# Altium PCB BLE-T1.PcbDoc (part 2 of 3)
Units mm, origin at the board's own origin, x right, y up, seen from the top; angles counter-clockwise.
Board outline 284.81 x 94.3 mm, 2 copper layers (Component Side, Bottom Layer), stack 1.571 mm thick; 189 components, 121 nets, 835 pads, 172 vias.
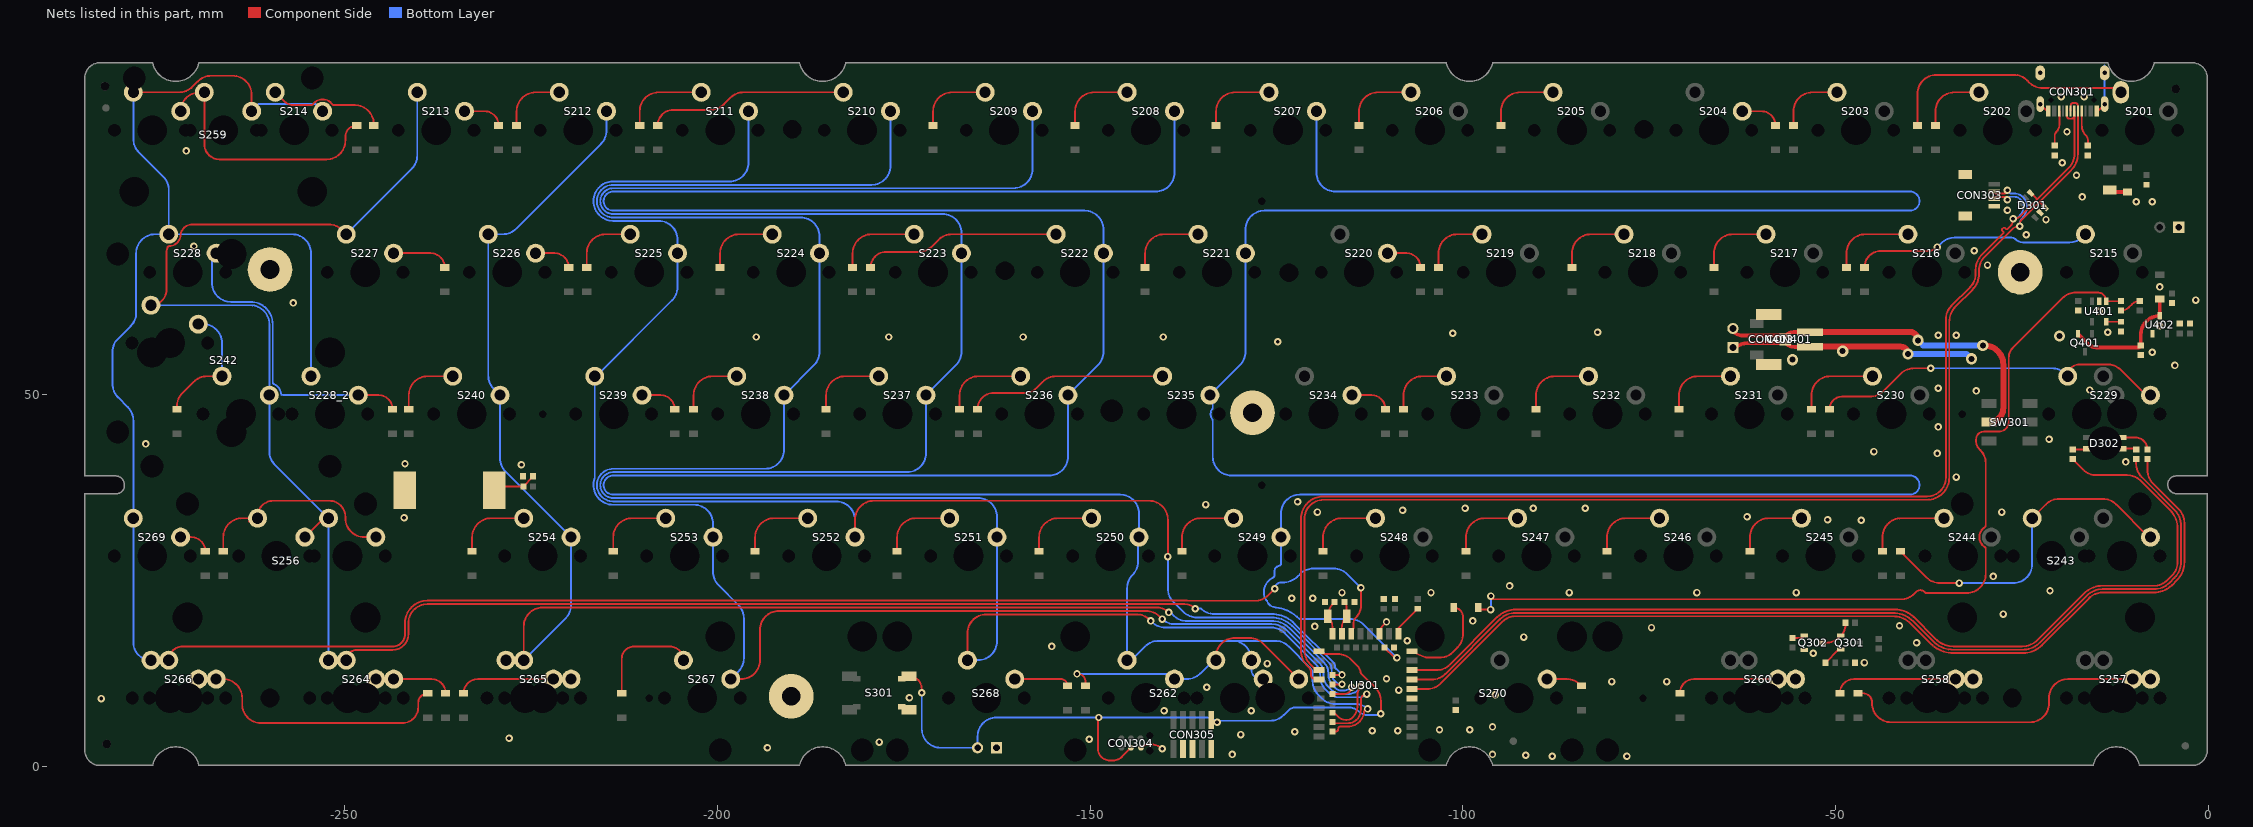
[diagram p2: the nets of this part, all layers, seen from the top]

## Via types
v1: diameter 1, hole 0.5, Component Side to Bottom Layer, tented both sides, 163 vias
v2: diameter 1.5, hole 0.8, Component Side to Bottom Layer, tented both sides, 7 vias
v3: diameter 1.5, hole 0.75, Component Side to Bottom Layer, tented both sides, 2 vias

## Nets (pads, with @x,y where several pads share a name; then routed paths per layer and width w, separated by ;. In a path a pad name is that pad's centre, name@x,y a point inside that pad or via, vN(x,y) a via of type N, cw(c..) or ccw(c..) an arc to the next point about the centre after c; other vN are vias at no path point) (continued)
col7: S207.2 S221.2 S235.2 S249.2 U301.22 | length 436.5
  Component Side w0.254: U301.22@-110.517,15.994 -109.128,14.605 v1(-108.839,14.605)
  Bottom Layer w0.254: S207.2@-119.64,87.955 -119.64,79.711 ccw(c-117.1,79.711) -117.1,77.171 -40,77.171 cw(c-40,75.89) -40,74.609 -126.625,74.609 ccw(c-126.625,72.069) -129.165,72.069 S221.2@-129.165,68.905 -129.165,55.67 cw(c-131.705,55.67) -129.909,53.874 -133.547,50.235 -133.547,48.178 cw(c-133.801,48.177) -133.598,48.024 ccw(c-132.657,47.315) -133.598,46.606 cw(c-133.801,46.453) -133.547,46.452 -133.547,41.611 ccw(c-131.007,41.611) -132.295,39.422 ccw(c-131.007,41.611) -131.007,39.071 -40,39.071 cw(c-40,37.79) -40,36.509 -121.862,36.509 ccw(c-121.862,33.969) -124.402,33.969 S249.2@-124.402,30.805 -124.402,27.226 cw(c-124.656,27.225) -124.61,26.975 ccw(c-124.46,26.162) -125.287,26.162 -125.287,25.621 cw(c-125.541,25.619) -125.433,25.39 ccw(c-124.494,23.402) -126.05,24.955 ccw(c-124.495,23.403) -126.307,24.645 ccw(c-124.495,23.403) -126.692,23.403 -126.692,23.241 ccw(c-125.349,23.241) -126.298,22.29 cw(c-126.477,22.11) -126.237,22.195 ccw(c-125.097,22.599) -125.16,21.391 ccw(c-125.032,21.61) -125.061,21.358 cw(c-125.667,16.129) -123.549,20.948 cw(c-125.667,16.129) -122.575,20.389 cw(c-125.667,16.129) -121.979,19.885 ccw(c-121.801,20.066) -121.801,19.812 -120.505,19.812 -118.364,19.812 -115.098,19.812 cw(c-115.098,17.272) -113.302,19.068 v1(-108.839,14.605)
col8: S208.2 S222.2 S236.2 S250.2 S262.2 U301.42 | length 398
  Component Side w0.254: U301.42@-117.457,4.699 -117.094,4.699 ccw(c-117.094,5.08) -116.713,5.08 cw(c-116.205,5.08) -116.706,5.167 cw(c-116.455,5.123) -116.455,5.377 -115.465,5.377 ccw(c-115.465,7.621) -113.424,6.69 ccw(c-115.465,7.621) -113.23,7.419 cw(c-112.977,7.396) -113.218,7.479 ccw(c-113.647,7.627) -113.208,7.511 cw(c-112.962,7.446) -113.081,7.67 cw(c-112.776,7.099) v1(-112.776,7.747)
  Bottom Layer w0.254: S262.2@-145.039,14.295 -145.039,23.961 cw(c-142.499,23.961) -144.296,25.757 ccw(c-146.023,27.485) -144.272,25.781 ccw(c-146.023,27.485) -143.58,27.485 -143.58,30.677 S250.2@-143.452,30.805 -143.452,33.969 ccw(c-145.992,33.969) -145.992,36.509 -214,36.509 cw(c-214,37.79) -214,39.071 -155.517,39.071 ccw(c-155.517,41.611) -152.977,41.611 S236.2@-152.977,49.855 -148.959,53.874 ccw(c-150.755,55.67) -148.215,55.67 S222.2@-148.215,68.905 -148.215,72.069 ccw(c-150.755,72.069) -150.755,74.609 -214,74.609 cw(c-214,75.89) -214,77.171 -141.23,77.171 ccw(c-141.23,79.711) -138.69,79.711 S208.2@-138.69,87.955 ; S262.2@-144.272,14.478 -142.603,16.147 cw(c-140.807,14.351) -140.807,16.891 -130.903,16.891 ; S262.2@-127.093,11.755 cw(c-127.093,13.025) -128.363,13.025 S262.2@-128.363,14.295 -128.363,14.351 ccw(c-130.903,14.351) -130.903,16.891 ; v1(-112.776,7.747) ccw(c-114.367,6.156) -114.367,8.406 -117.082,8.406 cw(c-117.082,10.946) -118.878,9.15 -119.398,9.67 cw(c-117.602,11.466) -120.142,11.466 -120.142,12.37 ccw(c-121.449,12.37) -120.525,13.295 -123.377,16.147 ccw(c-125.173,14.351) -125.173,16.891 -130.903,16.891
col9: S209.2 S223.2 S237.2 S251.2 S268.2 U301.40 | length 345.8
  Component Side w0.254: S268.2@-166.471,14.295 -166.471,17.907 cw(c-163.931,17.907) -163.931,20.447 -143.8,20.447 cw(c-143.8,17.907) -142.004,19.703 v1(-141.859,19.558) ; U301.40@-117.457,5.969 -117.319,5.831 -115.465,5.831 ccw(c-115.465,7.621) -114.818,5.952 ccw(c-115.465,7.621) -113.675,7.621 ; -113.665,7.645 -113.665,9.185 cw(c-112.903,8.957) v1(-112.903,9.752)
  Bottom Layer w0.254: S237.2@-172.027,49.855 -172.027,42.065 cw(c-174.567,42.065) -174.567,39.525 -214,39.525 ccw(c-214,37.79) -214,36.055 -165.042,36.055 cw(c-165.042,33.515) -162.502,33.515 S251.2@-162.502,30.805 -162.502,16.835 cw(c-165.042,16.835) -165.042,14.295 S268.2@-166.471,14.295 ; S237.2@-171.838,49.855 -171.838,50.045 -168.009,53.874 ccw(c-169.805,55.67) -167.265,55.67 S223.2@-167.265,68.905 -167.265,71.615 ccw(c-169.805,71.615) -169.805,74.155 -214,74.155 cw(c-214,75.89) -214,77.625 -160.28,77.625 ccw(c-160.28,80.165) -157.74,80.165 S209.2@-157.74,87.955 ; v1(-141.859,19.558) -141.714,19.413 ccw(c-139.918,21.209) -139.918,18.669 -125.667,18.669 cw(c-125.667,16.129) -123.871,17.925 -119.789,13.843 cw(c-121.39,12.242) -119.295,13.099 cw(c-121.39,12.242) -119.126,12.242 -119.126,12.101 ccw(c-116.586,12.101) -118.382,10.305 -117.983,9.906 ccw(c-116.554,11.335) -116.554,9.314 -113.961,9.314 ccw(c-113.961,10.811) v1(-112.903,9.752)
col10: S210.2 S224.2 S238.2 S252.2 U301.32 | length 267.5
  Component Side w0.254: S252.2@-181.552,30.805 -181.552,33.147 cw(c-179.012,33.147) -179.012,35.687 -142.113,35.687 cw(c-142.113,33.147) -139.573,33.147 v1(-139.573,28.194) ; U301.32@-117.457,11.049 v1(-116.205,11.049)
  Bottom Layer w0.254: S252.2@-181.552,30.805 -181.552,33.061 ccw(c-184.092,33.061) -184.092,35.601 -214,35.601 cw(c-214,37.79) -214,39.979 -193.617,39.979 ccw(c-193.617,42.519) -191.077,42.519 S238.2@-191.077,49.855 -187.059,53.874 ccw(c-188.855,55.67) -186.315,55.67 S224.2@-186.315,68.905 -186.315,71.161 ccw(c-188.855,71.161) -188.855,73.701 -214,73.701 cw(c-214,75.89) -214,78.079 -179.33,78.079 ccw(c-179.33,80.619) -176.79,80.619 S210.2@-176.79,87.955 ; v1@-139.7,28.194 v1@-139.573,28.067 ; v1(-139.573,28.194) v1@-139.573,28.067 ; -117.602,13.077 ccw(c-118.851,13.077) -117.869,13.849 -122.908,18.888 ccw(c-125.667,16.129) -125.667,20.031 -135.692,20.031 cw(c-135.692,22.571) -137.488,20.775 -138.829,22.116 cw(c-137.033,23.912) -139.573,23.912 v1@-139.573,28.067 ; -117.597,13.077 cw(c-117.632,13.042) -117.583,13.042 -117.583,12.274 ccw(c-116.312,12.466) -117.221,11.557 -117.072,11.408 ccw(c-116.205,12.275) v1(-116.205,11.049)
col11: S211.2 S225.2 S239.2 S253.2 S267.2 U301.38 | length 229.1
  Component Side w0.254: S267.2@-198.221,11.755 -196.85,11.755 ccw(c-196.85,14.295) -194.31,14.295 -194.31,18.361 cw(c-191.77,18.361) -191.77,20.901 -142.476,20.901 cw(c-142.476,18.361) -140.68,20.157 v1(-140.335,19.812) ; U301.38@-117.457,7.239 -117.248,7.239 -116.71,6.701 ccw(c-115.705,7.706) -115.705,6.285 -115.568,6.285 ccw(c-115.568,7.374) -114.798,6.603 ccw(c-116.435,8.242) -114.119,8.242 -114.119,9.699 cw(c-112.569,9.699) -113.73,10.726 cw(c-112.569,9.699) v1(-113.665,10.795)
  Bottom Layer w0.254: S267.2@-198.221,11.755 -197.213,12.763 ccw(c-199.009,14.559) -196.469,14.559 -196.469,19.903 ccw(c-199.009,19.903) -197.213,21.699 -199.858,24.344 cw(c-198.062,26.14) -200.602,26.14 S253.2@-200.602,30.805 -200.602,32.607 ccw(c-203.142,32.607) -203.142,35.147 -214,35.147 cw(c-214,37.79) -216.492,38.671 ccw(c-216.731,38.755) -216.477,38.756 -216.477,52.197 -206.109,62.566 ccw(c-207.905,64.362) -205.365,64.362 S225.2@-205.365,68.905 -205.365,70.707 ccw(c-207.905,70.707) -207.905,73.247 -214,73.247 cw(c-214,75.89) -214,78.533 -198.38,78.533 ccw(c-198.38,81.073) -195.84,81.073 S211.2@-195.84,87.955 ; v1(-140.335,19.812) -140.39,19.867 ccw(c-138.594,21.663) -138.594,19.123 -125.667,19.123 cw(c-125.667,16.129) -123.55,18.246 -119.253,13.949 cw(c-120.677,12.525) -118.663,12.525 -118.663,12.192 ccw(c-116.626,12.192) -118.066,10.751 -117.602,10.287 ccw(c-116.349,11.54) -116.744,9.812 ccw(c-116.349,11.54) -116.349,9.768 -115.316,9.768 ccw(c-115.316,11.634) -113.996,10.315 -113.665,10.646 v1(-113.665,10.795)
col12: S212.2 S226.2 S240.2 S254.2 S265.2 U301.34 | length 214
  Component Side w0.254: S265.2@-226.002,14.295 -226.002,18.815 cw(c-223.462,18.815) -223.462,21.355 -141.025,21.355 cw(c-141.025,19.122) v1(-139.446,20.701) ; U301.34@-117.457,9.779 -115.824,9.779 ccw(c-115.824,10.668) v1(-114.935,10.668)
  Bottom Layer w0.254: S265.2@-226.002,14.295 -220.396,19.901 ccw(c-222.192,21.697) -219.652,21.697 S254.2@-219.652,30.805 -228.434,39.586 cw(c-226.637,41.382) -229.177,41.382 S240.2@-229.177,49.855 -230.021,50.699 cw(c-228.225,52.495) -230.765,52.495 S226.2@-230.765,71.445 -228.819,71.445 ccw(c-228.819,73.985) -227.023,72.189 -215.634,83.578 ccw(c-217.43,85.374) -214.89,85.374 S212.2@-214.89,87.955 ; v1(-139.446,20.701) -139.192,20.701 -138.684,20.193 ccw(c-137.197,21.68) -137.197,19.577 -125.667,19.577 cw(c-125.667,16.129) -123.229,18.567 -118.588,13.926 cw(c-119.872,12.642) -118.056,12.642 -118.056,12.555 ccw(c-115.516,12.555) -117.312,10.759 -117.115,10.562 ccw(c-116.295,11.381) -116.295,10.222 -116.012,10.222 ccw(c-116.012,11.745) v1(-114.935,10.668)
D_N: CON301.A7 CON301.B7 CON303.2 D301.3 U301.29 | length 179.7
  Component Side w0.254: U301.29@-119.307,12.954 -119.649,12.954 -120.503,13.808 cw(c-118.707,15.604) -121.247,15.604 -121.247,33.274 cw(c-118.707,33.274) -118.707,35.814 -37.719,35.814 ccw(c-37.719,38.811) -34.722,38.811 -34.722,59.668 cw(c-31.725,59.668) -33.844,61.787 -31.605,64.026 ccw(c-33.724,66.145) -30.727,66.145 -30.727,66.634 cw(c-28.187,66.634) -29.983,68.43 -26.337,72.076 cw(c-25.273,71.012) v1(-25.273,72.517) -25.273,72.765 cw(c-24.366,72.765) -25.008,73.405 ; CON303.2@-28.702,77.184 ccw(c-28.431,77.184) -28.431,76.913 -27.354,76.913 ccw(c-27.354,77.343) v1(-26.924,77.343) ; -25.007,73.406 -22.6,75.813 ; D301.3@-21.975,75.134 -22.562,75.722 cw(c-22.471,75.813) -22.6,75.813 ; CON301.A7@-18.45,88 -18.427,88.735 cw(c-18.1,88.725) -18.1,89.052 -17.8,89.052 cw(c-17.8,88.725) -17.473,88.735 CON301.B7@-17.45,88 ccw(c-17.398,87.948) -17.471,87.948 -17.471,82.182 cw(c-20.466,82.182) -18.348,80.065 -22.6,75.813
  Bottom Layer w0.254: v1(-26.924,77.343) ccw(c-26.518,77.343) -26.518,76.937 -26.06,76.937 cw(c-26.06,75.184) -24.308,75.184 cw(c-26.605,75.184) -24.981,73.56 ccw(c-24.274,72.854) -25.273,72.854 v1(-25.273,72.517)
D_P: CON301.A6 CON301.B6 CON303.3 D301.4 U301.31 | length 180.9
  Component Side w0.254: -120.827,13.485 -120.536,13.194 cw(c-120.903,12.827) -120.384,12.827 -120.384,12.377 ccw(c-119.692,12.377) -119.692,11.684 U301.31@-119.307,11.684 ; -120.828,13.486 cw(c-118.71,15.602) -121.704,15.602 -121.704,33.274 cw(c-118.707,33.274) -118.707,36.271 -37.719,36.271 ccw(c-37.719,38.811) -35.179,38.811 -35.179,60.046 cw(c-32.639,60.046) -34.435,61.843 -31.928,64.349 ccw(c-33.724,66.145) -31.184,66.145 -31.184,66.634 cw(c-28.187,66.634) -30.307,68.753 -28.829,70.231 -27.449,71.611 -27.449,71.754 -27.661,71.966 -27.661,72.109 -27.445,72.325 -27.302,72.325 -27.09,72.114 -26.946,72.114 -26.659,72.401 -26.479,72.581 ; CON303.3@-28.702,76.184 cw(c-28.431,76.184) -28.431,76.455 -27.306,76.455 cw(c-27.306,76.073) v1(-26.924,76.073) ; -26.482,72.583 ccw(c-27.254,73.355) -26.162,73.355 v1(-26.162,73.533) ccw(c-26.162,75.066) -25.078,73.982 -22.924,76.136 ; D301.4@-23.672,76.831 cw(c-23.672,76.702) D301.4@-23.581,76.794 ; D301.4@-23.58,76.793 -22.924,76.136 ; CON301.B6@-18.95,88 -18.927,87.265 ccw(c-18.6,87.275) -18.6,86.948 -18.3,86.948 ccw(c-18.3,87.275) -17.973,87.265 CON301.A6@-17.95,88 cw(c-18.002,87.948) -17.929,87.948 -17.929,82.184 cw(c-20.469,82.184) -18.673,80.387 -22.924,76.136
  Bottom Layer w0.254: v1(-26.924,76.073) cw(c-26.518,76.073) -26.518,76.479 -26.06,76.479 cw(c-26.06,75.184) -24.765,75.184 cw(c-26.605,75.184) -25.304,73.883 -25.4,73.787 cw(c-26.013,74.4) -26.013,73.533 v1(-26.162,73.533)
GND: C301.1 C302.1 C304.1 C305.1 C306.1 C307.1 C402.1 C403.1 C404.1 C406.1 CON301.A1B12 CON301.B1A12 CON301.S1 CON302.1 CON303.4 CON303.5 CON304.5 CON305.3 CON305.5 CON305.9 CON306.1 CON401.2 CON401.3 CON402.1 CON403.2 D301.2 pad.@-25.2,66.365 pad.@-128.212,47.5 pad.@-190.119,9.45 pad.@-260.05,66.715 Q302.2 R301.2 R302.2 R307.2 R314.1 R402.2 R405.2 S301.1 U301.5 U301.21 U301.24 U302.2 U401.2 U402.1 | length 47.4
  Component Side w0.254: CON304.5@-143.175,2.541 cw(c-142.105,1.469) -142.105,2.983 -141.712,2.983 cw(c-141.712,1.036) v1(-140.335,2.413) ; U301.21@-111.157,17.844 cw(c-109.549,17.844) -110.686,18.981 v1(-110.236,19.431) ; v1@-107.697,16.636 v1(-107.442,16.891) ; v1@-53.08,15.24 v1(-52.959,15.24) ; CON301.S1@-22.52,88.915 -21.715,88.11 ccw(c-21.45,88.374) CON301.B1A12@-21.45,88 ; CON301.A1B12@-14.95,88 ccw(c-14.95,88.374) -14.685,88.11 CON301.S1@-13.88,88.915
  Component Side w0.5: CON402.1@-63.754,55.88 -63.533,56.101 cw(c-61.737,54.305) -61.737,56.845 CON403.2@-56.704,56.845 ccw(c-55.449,58.1) -55.449,56.325 CON401.2@-53.428,56.325
  Component Side w0.8: CON401.2@-54.825,56.356 -41.243,56.356 cw(c-41.243,55.372) v2(-40.259,55.372)
  Bottom Layer w0.254: CON301.S1@-13.88,89.915 -13.88,94.095
  Bottom Layer w0.8: v2(-40.259,55.372) -32.385,55.372 v2(-31.75,54.737) v2@-31.623,54.61
  other v1: -88.011,1.397 -77.978,1.397 -91.567,1.524 -130.937,1.651 -96.012,1.651 -193.3,2.539 -178.308,3.302 -150.114,3.683 -227.971,3.809 -129.794,4.318 -122.555,4.699 -112.141,4.826 -108.712,4.826 -103.124,4.953 -99.06,4.953 -96.012,5.334 -140.081,7.493 -128.397,7.493 -282.708,9.143 -174.244,9.271 -95.631,9.652 -108.585,10.287 -134.366,10.668 -80.01,11.43 -72.644,11.43 -110.236,11.811 -126.238,13.843 -46.101,13.97 -155.157,16.144 -39.116,16.637 -91.821,17.399 -74.676,18.669 -119.87,18.826 -41.402,18.923 -98.679,19.558 -27.486,20.483 -122.936,22.606 -120.142,22.606 -116.205,23.368 -104.267,23.368 -85.725,23.368 -68.58,23.368 -55.245,23.368 -21.209,23.622 -93.726,24.257 -28.829,25.527 -46.536,33.056 -51.054,33.147 -242.062,33.401 -61.849,33.528 -119.507,34.163 -27.686,34.163 -108.077,34.417 -99.695,34.671 -90.551,34.671 -83.566,34.671 -134.493,35.179 -122.174,35.56 -33.782,38.862 -226.314,40.513 -241.935,40.64 -11.049,40.894 -36.322,42.037 -44.831,42.291 -276.733,43.307 -21.336,43.942 -36.195,45.593 -31.115,50.419 -15.875,50.546 -36.195,50.8 -4.445,53.848 -7.493,55.626 -124.841,57.023 -194.818,57.658 -177.038,57.658 -159.004,57.658 -140.208,57.658 -36.195,57.912 -33.782,57.912 -101.346,58.166 -81.915,58.293 -13.462,58.293 -6.477,59.182 -14.605,61.087 -256.921,62.23 -1.651,62.611 -6.477,64.373 -29.591,67.31 -31.369,69.215 -270.256,69.85 -24.384,71.374 -21.745,73.421 -26.924,74.676 -9.652,75.819 -7.493,75.819 -16.891,76.454 -17.653,79.375 -19.558,81.026 -271.286,82.621 -18.923,85.217 -19.685,89.916 -16.637,89.916
  other v2: -55.753,54.61 -49.022,55.753 -19.939,57.785
LED1: R312.1 U301.6 | length 130.2
  Component Side w0.254: U301.6@-106.807,10.414 -104.79,10.414 ccw(c-104.79,12.954) -102.994,11.158 -94.703,19.449 cw(c-92.907,17.653) -92.907,20.193 -42.311,20.193 cw(c-42.311,16.772) -39.892,19.191 -37.217,16.516 ccw(c-34.137,19.596) -34.137,15.24 -24.833,15.24 ccw(c-24.833,18.828) -22.297,16.29 ccw(c-24.833,18.828) -22.296,16.291 -15.963,22.624 cw(c-14.167,20.828) -14.167,23.368 -7.27,23.368 ccw(c-7.27,26.816) -4.832,24.378 -4.185,25.025 ccw(c-6.623,27.463) -3.175,27.463 -3.175,32.73 ccw(c-5.715,32.73) -3.919,34.526 -7.384,37.991 cw(c-5.588,39.787) -8.128,39.787 R312.1@-8.128,41.26
LED2: R310.2 U301.8 | length 135.3
  Component Side w0.254: U301.8@-106.807,12.954 -103.534,12.954 ccw(c-103.534,15.494) -101.738,13.698 -95.345,20.091 cw(c-92.907,17.653) -92.907,21.101 -41.946,21.101 cw(c-41.946,17.653) -39.508,20.091 -36.575,17.158 ccw(c-34.137,19.596) -34.137,16.148 -24.963,16.148 ccw(c-24.963,19.142) -22.847,17.024 ; -22.846,17.025 -16.605,23.266 cw(c-14.167,20.828) -14.167,24.276 -7.27,24.276 ccw(c-7.27,26.816) -5.474,25.02 -4.827,25.667 ccw(c-6.623,27.463) -4.083,27.463 -4.083,31.978 ccw(c-7.531,31.978) -5.093,34.416 -9.049,38.372 ccw(c-10.845,36.576) -9.507,38.735 ccw(c-10.845,36.576) -10.845,39.116 -14.965,39.116 cw(c-14.965,41.656) -16.761,39.86 R310.2@-18.161,41.26
LED3: R311.2 U301.7 | length 129.5
  Component Side w0.254: U301.7@-106.807,11.684 -104.162,11.684 ccw(c-104.162,14.224) -102.366,12.428 -95.024,19.77 ; -95.023,19.771 cw(c-92.907,17.653) -92.907,20.647 -42.311,20.647 cw(c-42.311,16.772) -39.571,19.512 -36.896,16.837 ccw(c-34.137,19.596) -36.895,16.836 ccw(c-34.137,19.596) -34.137,15.694 -24.963,15.694 ccw(c-24.963,19.142) -22.525,16.704 -16.284,22.945 ; -16.283,22.946 cw(c-14.167,20.828) -14.167,23.822 -7.27,23.822 ccw(c-7.27,26.816) -5.154,24.698 -4.506,25.346 ccw(c-6.623,27.463) -3.629,27.463 -3.629,32.354 ccw(c-6.623,32.354) -4.505,34.47 ; R311.2@-9.652,41.26 -9.652,40.669 ccw(c-7.112,40.669) -8.908,38.873 -4.506,34.471
NetC305_2: C305.2 U301.13 X301.2 | length 4.5
  Component Side w0.254: U301.13@-116.205,17.876 U301.13@-116.237,17.844 -116.237,18.621 cw(c-114.014,18.621) X301.2@-115.586,20.193 -115.586,21.451 ccw(c-116.501,21.451) C305.2@-115.854,22.098
NetC306_2: C306.2 U301.11 X301.1 | length 5
  Component Side w0.254: U301.11@-117.713,18.05 U301.11@-117.507,17.844 -117.507,18.776 ccw(c-119.511,18.776) X301.1@-118.094,20.193 cw(c-115.675,20.193) -117.713,21.496 cw(c-115.675,20.193) -117.385,21.904 C306.2@-117.191,22.098
NetC402_2: C402.2 D402.2 Q401.2 U402.3 | length 16.7
  Component Side w0.5: Q401.2@-17.46,58.096 -16.077,56.713 ccw(c-14.986,57.804) -14.986,56.261 -9.37,56.261 ccw(c-9.37,56.534) C402.2@-9.177,56.341 ; C402.2@-9.017,56.53 -9.017,56.537 -9.017,57.969 cw(c-6.477,57.969) U402.3@-6.477,60.509 D402.2@-6.477,62.754
NetCON301_A5: CON301.A5 R302.1 | length 4.9
  Component Side w0.254: CON301.A5@-16.95,88 -16.952,86.361 -16.952,86.083 ccw(c-15.009,86.083) -16.952,86.061 ccw(c-15.009,86.083) -16.383,84.709 cw(c-16.996,84.096) -16.129,84.096 R302.1@-16.129,83.327
NetCON301_B5: CON301.B5 R301.1 | length 4.8
  Component Side w0.254: R301.1@-20.574,83.327 -20.574,84.604 cw(c-19.707,84.604) -20.32,85.217 ccw(c-21.213,86.11) -19.95,86.11 CON301.B5@-19.95,88
NetCON401_1: CON401.1 CON402.2 CON403.1 SW301.2 | length 49.2
  Component Side w0.5: CON402.2@-63.754,58.42 ccw(c-62.368,59.806) -62.368,57.846 -56.703,57.846 cw(c-55.545,56.686) -55.545,58.325 CON401.1@-53.428,58.325
  Component Side w0.8: CON401.1@-54.825,58.356 -40.068,58.356 cw(c-40.068,57.213) v2(-38.925,57.213) ; v2(-30.226,56.515) -30.01,56.515 cw(c-30.01,53.975) -27.47,53.975 -27.47,48.134 cw(c-29.376,48.134) SW301.2@-29.376,46.228
  Bottom Layer w0.8: v2(-38.925,57.213) -38.227,56.515 v2(-30.226,56.515)
NetD201_1: D201.1 S201.1 | length 33.7
  Component Side w0.254: D201.1@-38.989,86.05 -38.989,90.297 cw(c-36.449,90.297) -36.449,92.837 -26.071,92.837 cw(c-26.071,90.297) -24.275,92.093 -23.985,91.803 ccw(c-22.189,93.599) -22.189,91.059 -13.052,91.059 cw(c-13.052,89.133) S201.1@-11.69,90.495
NetD202_1: D202.1 S202.1 | length 9.2
  Component Side w0.254: D202.1@-36.576,86.05 -36.576,87.955 cw(c-34.036,87.955) -34.036,90.495 S202.1@-30.74,90.495
NetD203_1: D203.1 S203.1 | length 9.2
  Component Side w0.254: D203.1@-55.626,86.05 -55.626,87.955 cw(c-53.086,87.955) -53.086,90.495 S203.1@-49.79,90.495
NetD204_1: D204.1 S204.1 | length 5.5
  Component Side w0.254: S204.1@-62.49,87.955 -59.944,87.955 cw(c-59.944,86.05) D204.1@-58.039,86.05
NetD205_1: D205.1 S205.1 | length 10.3
  Component Side w0.254: D205.1@-94.869,86.05 -94.869,87.955 cw(c-92.329,87.955) -92.329,90.495 S205.1@-87.89,90.495
NetD206_1: D206.1 S206.1 | length 10.3
  Component Side w0.254: D206.1@-113.919,86.05 -113.919,87.955 cw(c-111.379,87.955) -111.379,90.495 S206.1@-106.94,90.495
NetD207_1: D207.1 S207.1 | length 10.5
  Component Side w0.254: D207.1@-133.096,86.05 -133.096,87.955 cw(c-130.556,87.955) -130.556,90.495 S207.1@-125.99,90.495
NetD208_1: D208.1 S208.1 | length 10.3
  Component Side w0.254: D208.1@-152.019,86.05 -152.019,87.955 cw(c-149.479,87.955) -149.479,90.495 S208.1@-145.04,90.495
NetD209_1: D209.1 S209.1 | length 10.3
  Component Side w0.254: D209.1@-171.069,86.05 -171.069,87.955 cw(c-168.529,87.955) -168.529,90.495 S209.1@-164.09,90.495
NetD210_1: D210.1 S210.1 | length 26.8
  Component Side w0.254: D210.1@-208.026,86.05 cw(c-205.938,86.05) -205.938,88.138 -200.95,88.138 ccw(c-200.95,90.678) -199.154,88.882 -198.285,89.751 cw(c-196.489,87.955) -196.489,90.495 S210.1@-183.14,90.495
NetD211_1: D211.1 S211.1 | length 11.6
  Component Side w0.254: D211.1@-210.439,86.05 -210.439,87.955 cw(c-207.899,87.955) -207.899,90.495 S211.1@-202.19,90.495
NetD212_1: D212.1 S212.1 | length 9.1
  Component Side w0.254: D212.1@-226.949,86.05 -226.949,87.955 cw(c-224.409,87.955) -224.409,90.495 S212.1@-221.24,90.495
NetD213_1: D213.1 S213.1 | length 5.7
  Component Side w0.254: S213.1@-233.94,87.955 -231.267,87.955 cw(c-231.267,86.05) D213.1@-229.362,86.05
NetD214_1: D214.1 S214.1 | length 16
  Component Side w0.254: S214.1@-259.34,90.495 -258.111,89.266 ccw(c-256.921,90.456) -256.921,88.773 -256.115,88.773 -254.499,88.773 ccw(c-254.499,89.027) -254.292,88.88 cw(c-252.99,87.955) -251.688,88.88 ccw(c-251.481,89.027) -251.481,88.773 -248.666,88.773 cw(c-248.666,86.233) -246.126,86.233 D214.1@-246.126,86.05
NetD215_1: D215.1 S215.1 | length 32
  Component Side w0.254: D215.1@-46.101,67 cw(c-43.886,67) -43.886,69.215 -37.548,69.215 ccw(c-37.548,70.949) v1(-36.322,69.723)
  Bottom Layer w0.254: v1(-36.322,69.723) -35.796,70.249 cw(c-34,68.453) -34,70.993 -26.394,70.993 cw(c-26.394,70.126) -25.781,70.739 ccw(c-24.861,71.659) -24.861,70.358 -18.592,70.358 ccw(c-18.592,72.898) -16.796,71.102 S215.1@-16.452,71.445
NetD216_1: D216.1 S216.1 | length 11.6
  Component Side w0.254: D216.1@-48.514,67 -48.514,68.905 cw(c-45.974,68.905) -45.974,71.445 S216.1@-40.265,71.445
NetD217_1: D217.1 S217.1 | length 10.3
  Component Side w0.254: D217.1@-66.294,67 -66.294,68.905 cw(c-63.754,68.905) -63.754,71.445 S217.1@-59.315,71.445
NetD218_1: D218.1 S218.1 | length 10.3
  Component Side w0.254: D218.1@-85.344,67 -85.344,68.905 cw(c-82.804,68.905) -82.804,71.445 S218.1@-78.365,71.445
NetD219_1: D219.1 S219.1 | length 9.2
  Component Side w0.254: D219.1@-103.251,67 -103.251,68.905 cw(c-100.711,68.905) -100.711,71.445 S219.1@-97.415,71.445
NetD220_1: D220.1 S220.1 | length 5.5
  Component Side w0.254: S220.1@-110.115,68.905 -107.569,68.905 cw(c-107.569,67) D220.1@-105.664,67
NetD221_1: D221.1 S221.1 | length 10.5
  Component Side w0.254: D221.1@-142.621,67 -142.621,68.905 cw(c-140.081,68.905) -140.081,71.445 S221.1@-135.515,71.445
NetD222_1: D222.1 S222.1 | length 26.8
  Component Side w0.254: D222.1@-179.451,67 cw(c-177.363,67) -177.363,69.088 -173.01,69.088 ccw(c-173.01,71.628) -171.214,69.832 -170.345,70.701 cw(c-168.549,68.905) -168.549,71.445 S222.1@-154.565,71.445
NetD223_1: D223.1 S223.1 | length 11.6
  Component Side w0.254: D223.1@-181.864,67 -181.864,68.905 cw(c-179.324,68.905) -179.324,71.445 S223.1@-173.615,71.445
NetD224_1: D224.1 S224.1 | length 10.3
  Component Side w0.254: D224.1@-199.644,67 -199.644,68.905 cw(c-197.104,68.905) -197.104,71.445 S224.1@-192.665,71.445
NetD225_1: D225.1 S225.1 | length 9.2
  Component Side w0.254: D225.1@-217.551,67 -217.551,68.905 cw(c-215.011,68.905) -215.011,71.445 S225.1@-211.715,71.445
NetD226_1: D226.1 S226.1 | length 5.5
  Component Side w0.254: S226.1@-224.415,68.905 -221.869,68.905 cw(c-221.869,67) D226.1@-219.964,67
NetD227_1: D227.1 S227.1 | length 8
  Component Side w0.254: S227.1@-243.465,68.905 -238.506,68.905 cw(c-238.506,67) D227.1@-236.601,67
NetD228_1: D228.1 S228.1 S228_2.1 | length 41.6
  Component Side w0.254: S228_2.1@-248.202,49.855 -245.491,49.855 cw(c-245.491,47.95) D228.1@-243.586,47.95
  Bottom Layer w0.254: S228.1@-267.277,68.905 ccw(c-267.277,68.34) -267.843,68.34 -267.843,64.919 ccw(c-265.303,64.919) -265.303,62.379 -262.68,62.379 cw(c-262.68,59.385) -259.686,59.385 -259.686,51.565 ccw(c-259.432,51.565) -259.529,51.331 cw(c-260.14,49.855) -258.544,49.903 ccw(c-258.054,52.395) -258.054,49.855 S228_2.1@-248.202,49.855
NetD229_1: D229.1 S229.1 | length 48.1
  Component Side w0.254: D229.1@-50.8,47.95 cw(c-49.093,47.95) -49.093,49.657 -45.375,49.657 ccw(c-45.375,52.197) -43.579,50.401 -41.257,52.723 cw(c-39.461,50.927) -40.082,53.39 cw(c-39.461,50.927) -39.461,53.467 v1(-37.211,53.467) ; S229.1@-18.834,52.395 cw(c-17.237,52.395) -17.237,53.992 -13.515,53.992 cw(c-13.515,51.452) -12.903,53.917 cw(c-13.515,51.452) -11.719,53.248 -8.646,50.175 ccw(c-7.874,50.946) S229.1@-7.874,49.855
  Bottom Layer w0.254: v1(-37.211,53.467) -20.958,53.467 cw(c-20.958,50.927) -19.162,52.723 S229.1@-18.834,52.395
NetD230_1: D230.1 S230.1 | length 11.5
  Component Side w0.254: D230.1@-53.213,47.95 -53.213,49.855 cw(c-50.673,49.855) -50.673,52.395 S230.1@-45.027,52.395
NetD231_1: D231.1 S231.1 | length 10.3
  Component Side w0.254: D231.1@-70.993,47.95 -70.993,49.855 cw(c-68.453,49.855) -68.453,52.395 S231.1@-64.077,52.395
NetD232_1: D232.1 S232.1 | length 10.4
  Component Side w0.254: D232.1@-90.17,47.95 -90.17,49.855 cw(c-87.63,49.855) -87.63,52.395 S232.1@-83.127,52.395
NetD233_1: D233.1 S233.1 | length 9.1
  Component Side w0.254: D233.1@-107.95,47.95 -107.95,49.855 cw(c-105.41,49.855) -105.41,52.395 S233.1@-102.177,52.395
NetD234_1: D234.1 S234.1 | length 5.6
  Component Side w0.254: S234.1@-114.877,49.855 -112.268,49.855 cw(c-112.268,47.95) D234.1@-110.363,47.95
NetD235_1: D235.1 S235.1 | length 26.8
  Component Side w0.254: D235.1@-165.1,47.95 -165.1,48.006 cw(c-162.941,48.006) -162.941,50.165 -158.75,50.165 ccw(c-158.75,52.311) -157.232,50.794 -156.375,51.651 cw(c-154.579,49.855) -154.579,52.395 S235.1@-140.277,52.395
NetD236_1: D236.1 S236.1 | length 11.5
  Component Side w0.254: D236.1@-167.513,47.95 -167.513,49.855 cw(c-164.973,49.855) -164.973,52.395 S236.1@-159.327,52.395
NetD237_1: D237.1 S237.1 | length 10.4
  Component Side w0.254: D237.1@-185.42,47.95 -185.42,49.855 cw(c-182.88,49.855) -182.88,52.395 S237.1@-178.377,52.395
NetD238_1: D238.1 S238.1 | length 9.1
  Component Side w0.254: D238.1@-203.2,47.95 -203.2,49.855 cw(c-200.66,49.855) -200.66,52.395 S238.1@-197.427,52.395
NetD239_1: D239.1 S239.1 | length 5.5
  Component Side w0.254: S239.1@-210.127,49.855 -207.645,49.855 cw(c-207.645,47.95) D239.1@-205.74,47.95
NetD240_1: D240.1 S240.1 | length 9.3
  Component Side w0.254: D240.1@-241.427,47.95 -241.427,49.855 cw(c-238.887,49.855) -238.887,52.395 S240.1@-235.527,52.395
NetD242_1: D242.1 S242.1 | length 17.6
  Component Side w0.254: D242.1@-272.542,47.95 -272.542,48.344 cw(c-270.002,48.344) -271.798,50.14 -270.287,51.651 cw(c-268.491,49.855) -268.491,52.395 S242.1@-266.49,52.395
  Bottom Layer w0.254: S242.1@-269.67,59.385 -269.03,59.385 cw(c-269.03,56.845) -266.49,56.845 S242.1@-266.49,52.395
NetD243_1: D243.1 S243.1 | length 45.8
  Component Side w0.254: D243.1@-41.275,28.9 -37.757,25.382 ccw(c-35.961,27.178) -35.961,24.638 v1(-33.401,24.638) ; S243.1@-23.596,33.345 -21.744,35.197 cw(c-19.948,33.401) -19.948,35.941 -14.133,35.941 cw(c-14.133,33.401) -12.337,35.197 -7.945,30.805 S243.1@-7.721,30.805
  Bottom Layer w0.254: v1(-33.401,24.638) -26.136,24.638 ccw(c-26.136,27.178) -23.596,27.178 S243.1@-23.596,33.345
NetD244_1: D244.1 S244.1 | length 15.6
  Component Side w0.254: D244.1@-43.688,28.9 -43.688,30.805 ; S244.1@-35.433,33.345 -41.148,33.345 ; -43.688,30.805 cw(c-41.148,30.805) -41.148,33.345 ; -43.688,30.805 cw(c-41.148,30.805) -41.658,33.293 cw(c-41.148,30.805) -41.656,33.294 cw(c-41.148,30.805) -41.148,33.345
NetD245_1: D245.1 S245.1 | length 10.3
  Component Side w0.254: D245.1@-61.468,28.9 -61.468,30.805 cw(c-58.928,30.805) -58.928,33.345 S245.1@-54.552,33.345
NetD246_1: D246.1 S246.1 | length 10.4
  Component Side w0.254: D246.1@-80.645,28.9 -80.645,30.805 cw(c-78.105,30.805) -78.105,33.345 S246.1@-73.602,33.345
NetD247_1: D247.1 S247.1 | length 10.3
  Component Side w0.254: D247.1@-99.568,28.9 -99.568,30.805 cw(c-97.028,30.805) -97.028,33.345 S247.1@-92.652,33.345
NetD248_1: D248.1 S248.1 | length 10.4
  Component Side w0.254: D248.1@-118.745,28.9 -118.745,30.805 cw(c-116.205,30.805) -116.205,33.345 S248.1@-111.702,33.345
NetD249_1: D249.1 S249.1 | length 10.3
  Component Side w0.254: D249.1@-137.668,28.9 -137.668,30.805 cw(c-135.128,30.805) -135.128,33.345 S249.1@-130.752,33.345
NetD250_1: D250.1 S250.1 | length 10.4
  Component Side w0.254: D250.1@-156.845,28.9 -156.845,30.805 cw(c-154.305,30.805) -154.305,33.345 S250.1@-149.802,33.345
NetD251_1: D251.1 S251.1 | length 10.4
  Component Side w0.254: D251.1@-175.895,28.9 -175.895,30.805 cw(c-173.355,30.805) -173.355,33.345 S251.1@-168.852,33.345
NetD252_1: D252.1 S252.1 | length 10.4
  Component Side w0.254: D252.1@-194.945,28.9 -194.945,30.805 cw(c-192.405,30.805) -192.405,33.345 S252.1@-187.902,33.345
NetD253_1: D253.1 S253.1 | length 10.4
  Component Side w0.254: D253.1@-213.995,28.9 -213.995,30.805 cw(c-211.455,30.805) -211.455,33.345 S253.1@-206.952,33.345
NetD254_1: D254.1 S254.1 | length 10.3
  Component Side w0.254: D254.1@-232.918,28.9 -232.918,30.805 cw(c-230.378,30.805) -230.378,33.345 S254.1@-226.002,33.345
NetD256_1: D256.1 S256.1 | length 29.9
  Component Side w0.254: D256.1@-266.319,28.9 -266.319,30.805 cw(c-263.779,30.805) -263.779,33.345 -261.747,33.345 -261.747,33.528 cw(c-259.588,33.528) -259.588,35.687 -252.095,35.687 cw(c-252.095,33.528) -249.936,33.528 -249.936,33.345 ccw(c-247.396,33.345) -247.396,30.805 -245.872,30.805 S256.1@-246.38,30.297 ; S256.1@-262.851,32.891 S256.1@-261.747,32.891
NetD257_1: D257.1 S257.1 | length 42.8
  Component Side w0.254: D257.1@-46.99,9.85 -46.299,9.85 cw(c-46.299,8.636) -45.085,8.636 -45.085,8.509 ccw(c-42.545,8.509) -42.545,5.969 -23.876,5.969 ccw(c-23.876,8.509) -21.336,8.509 -21.336,9.215 cw(c-18.796,9.215) -21.113,10.256 cw(c-18.796,9.215) -19.837,11.532 cw(c-18.796,9.215) -18.796,11.755 S257.1@-10.102,11.755
NetD258_1: D258.1 S258.1 | length 19
  Component Side w0.254: D258.1@-49.403,9.85 cw(c-47.498,9.85) -47.498,11.755 S258.1@-33.909,11.755 S258.1@-31.528,11.755
NetD259_1: D259.1 S259.1 | length 37
  Component Side w0.254: S259.1@-272.034,87.955 cw(c-269.494,87.955) -269.494,90.495 S259.1@-268.859,90.495 -268.859,83.525 ccw(c-266.827,83.525) -266.827,81.493 -252.476,81.493 ccw(c-252.476,84.033) -249.936,84.033 -249.936,84.526 cw(c-248.412,84.526) D259.1@-248.412,86.05
  Bottom Layer w0.254: S259.1@-272.04,87.955 S259.1@-271.349,88.646
NetD260_1: D260.1 S260.1 | length 14.2
  Component Side w0.254: D260.1@-70.866,9.85 cw(c-68.961,9.85) -68.961,11.755 S260.1@-57.727,11.755
NetD262_1: D262.1 S262.1 | length 37
  Component Side w0.254: v1(-151.765,12.446) -151.638,12.446 cw(c-151.638,11.43) -150.622,11.43 D262.1@-150.622,10.85 ; S262.1@-133.133,14.295 -133.133,14.677 -133.133,14.732 cw(c-130.593,14.732) -130.593,17.272 -128.582,17.272 cw(c-128.582,14.732) -126.786,16.528 S262.1@-122.013,11.755
  Bottom Layer w0.254: v1(-151.765,12.446) -139.38,12.446 S262.1@-138.689,11.755 -137.035,11.755 ccw(c-137.035,14.295) -135.239,12.499 S262.1@-133.443,14.295
NetD264_1: D264.1 S264.1 | length 8.1
  Component Side w0.254: S264.1@-243.459,11.755 -238.379,11.755 cw(c-238.379,9.85) D264.1@-236.474,9.85
NetD265_1: D265.1 S265.1 | length 13.1
  Component Side w0.254: D265.1@-234.061,9.85 cw(c-232.156,9.85) -232.156,11.755 S265.1@-222.033,11.755
NetD266_1: D266.1 S266.1 | length 34.7
  Component Side w0.254: S266.1@-267.277,11.755 -266.319,11.755 cw(c-266.319,9.215) -263.779,9.215 -263.779,8.382 ccw(c-261.239,8.382) -261.239,5.842 -242.316,5.842 ccw(c-242.316,8.001) -240.157,8.001 -240.157,8.58 cw(c-238.887,8.58) D266.1@-238.887,9.85
NetD267_1: D267.1 S267.1 | length 14.9
  Component Side w0.254: D267.1@-212.852,9.85 -212.852,14.478 cw(c-211.201,14.478) -211.201,16.129 -206.405,16.129 cw(c-206.405,14.295) S267.1@-204.571,14.295
NetD268_1: D268.1 S268.1 | length 7.6
  Component Side w0.254: S268.1@-160.121,11.755 -153.94,11.755 cw(c-153.94,10.85) D268.1@-153.035,10.85
NetD269_1: D269.1 S269.1 | length 4.4
  Component Side w0.254: S269.1@-272.04,30.805 -270.637,30.805 cw(c-270.637,28.9) D269.1@-268.732,28.9
NetD270_1: D270.1 S270.1 | length 5
  Component Side w0.254: S270.1@-88.773,11.665 cw(c-88.683,11.665) S270.1@-88.683,11.755 -86.031,11.755 cw(c-86.031,9.215) -84.235,11.011 D270.1@-84.074,10.85
NetD302_1: D302.1 R310.1 | length 1.8
  Component Side w0.254: R310.1@-18.161,42.56 -16.546,42.56 D302.1@-16.434,42.672
NetD302_2: D302.2 R311.1 | length 2
  Component Side w0.254: D302.2@-11.557,42.672 -9.764,42.672 R311.1@-9.652,42.56
NetD302_3: D302.3 R312.2 | length 4.3
  Component Side w0.254: D302.3@-11.557,44.172 -9.74,44.172 cw(c-9.74,42.56) R312.2@-8.128,42.56
NetD303_1: D303.1 F301.1 | length 2.5
  Component Side w0.5: F301.1@-13.208,77.39 ccw(c-12.52,78.078) -12.52,77.105 D303.1@-10.795,77.105
NetD401_2: D401.2 R401.2 | length 2.9
  Component Side w0.254: R401.2@-11.684,61.199 ccw(c-11.684,62.696) -10.626,61.637 -10.202,62.061 cw(c-9.144,61.002) D401.2@-9.144,62.499
NetD403_1: D403.1 U301.10 | length 13
  Component Side w0.254: U301.10@-106.807,15.494 -106.735,15.422 ccw(c-106.556,15.603) -106.654,15.368 -105.036,14.697 ccw(c-104.939,14.932) -104.939,14.678 -102.906,14.678 ccw(c-102.906,16.764) -101.432,15.288 -100.842,15.879 -100.708,16.012 ccw(c-102.504,17.808) -99.964,17.808 -99.964,20.097 ccw(c-101.203,20.097) D403.1@-101.203,21.336
NetD403_2: D403.2 R401.1 U401.1 | length 125
  Component Side w0.254: D403.2@-97.933,21.336 ccw(c-97.679,21.336) -97.679,21.082 v1(-96.266,21.082) ; v1@-96.139,22.86 ccw(c-95.742,22.86) -95.742,22.463 -41.212,22.463 ccw(c-41.212,25.003) -39.416,23.207 -39.277,23.346 cw(c-38.608,22.86) -37.978,23.396 ccw(c-37.785,23.56) -37.846,23.314 -32.37,23.314 ccw(c-32.37,25.854) -29.83,25.854 -29.83,29.247 ccw(c-30.084,29.248) -29.947,29.462 cw(c-29.083,30.805) -29.947,32.148 ccw(c-30.084,32.362) -29.83,32.363 -29.83,40.716 ccw(c-32.37,40.716) -30.574,42.512 -30.734,42.672 cw(c-29.814,43.592) -31.115,43.592 -31.115,43.942 cw(c-30.099,43.942) -30.966,44.472 cw(c-30.099,43.942) -30.629,44.809 cw(c-30.099,43.942) -30.099,44.958 -28.074,44.958 ccw(c-28.074,46.289) -26.743,46.289 -26.743,54.841 cw(c-24.735,54.841) -26.155,56.261 -19.387,63.029 ; -19.381,63.023 cw(c-17.737,61.087) -17.737,63.627 -14.82,63.627 cw(c-14.82,62.462) -14.108,63.384 cw(c-14.82,62.462) -13.898,63.174 cw(c-14.82,62.462) U401.1@-13.655,62.462 -11.721,62.462 R401.1@-11.684,62.499
  Bottom Layer w0.254: v1@-96.574,21.082 v1(-96.266,21.082) ; v1@-96.225,21.432 v1(-96.225,22.902)
NetL301_2: L301.2 U301.25 | length 4.4
  Component Side w0.254: U301.25@-108.617,17.844 -108.617,18.622 L301.2@-106.045,21.194
NetQ301_1: Q301.1 Q302.3 R308.1 | length 4.7
  Component Side w0.254: Q302.3@-51.759,16.637 -51.276,16.637 ccw(c-51.276,19.177) -49.48,17.381 Q301.1@-49.259,17.602 ; Q301.1@-49.259,17.602 ccw(c-50.715,19.058) -48.656,19.058 R308.1@-48.656,19.304
NetQ301_2: Q301.2 R306.1 | length 2.8
  Component Side w0.254: R306.1@-51.323,13.97 -49.591,15.702 Q301.2@-49.259,15.702
NetQ302_1: Q302.1 R309.1 | length 1.7
  Component Side w0.254: R309.1@-55.753,17.287 -54.459,17.287 Q302.1@-54.159,17.587
NetR313_2: R313.2 R314.2 U302.1 | length 6.4
  Component Side w0.254: U302.1@-229.966,38.989 -228.569,37.592 R313.2@-226.06,37.592 -224.775,38.877 R314.2@-224.775,38.989
NetR402_1: R402.1 U401.5 | length 2
  Component Side w0.254: U401.5@-13.655,59.712 -11.691,59.712 R402.1@-11.684,59.705
NetS213_2: S213.2 S227.2 S242.2 S256.2 S264.2 U301.30 | length 273
  Component Side w0.254: S242.2@-276.02,61.925 ccw(c-276.02,64.006) -273.939,64.006 -273.939,68.905 cw(c-271.399,68.905) -273.82,69.673 cw(c-273.578,69.595) -273.585,69.849 ccw(c-273.627,71.445) -272.05,71.195 ccw(c-273.627,71.445) -272.05,71.197 ccw(c-273.627,71.445) -272.031,71.425 cw(c-271.777,71.421) -272.027,71.465 cw(c-270.475,71.195) -270.475,72.771 -252.193,72.771 cw(c-252.193,70.231) -250.397,72.027 S227.2@-249.815,71.445 ; S256.2@-255.397,30.805 -252.857,33.345 -252.222,33.345 S256.2@-252.222,33.528 ; S264.2@-249.809,14.295 cw(c-248.429,14.295) -248.429,15.675 -243.586,15.675 ccw(c-243.586,17.78) -241.481,17.78 -241.481,19.269 cw(c-238.941,19.269) -238.941,21.809 -223.759,21.809 -223.744,21.823 -223.462,21.823 -223.462,21.818 -223.32,21.818 -223.311,21.809 -141.176,21.809 -141.167,21.818 -141.025,21.818 -141.025,21.832 -140.902,21.832 -140.884,21.814 -140.641,21.814 -140.637,21.809 -137.339,21.809 cw(c-137.339,19.76) v1(-135.89,21.209) ; U301.30@-117.457,12.319 v1(-116.205,12.319)
  Bottom Layer w0.254: S242.2@-275.191,62.754 S242.2@-276.02,61.925 -262.68,61.925 cw(c-262.68,59.385) -260.14,59.385 S242.2@-260.14,49.855 ; S242.2@-260.604,49.657 -260.14,49.657 -260.14,42.315 ccw(c-257.6,42.315) -259.396,40.519 -252.222,33.345 -252.222,14.372 ccw(c-252.114,14.372) S264.2@-252.19,14.295 ; S227.2@-249.815,71.445 -241.034,80.226 ccw(c-242.83,82.022) -240.29,82.022 S213.2@-240.29,90.495 ; v1(-135.89,21.209) -135.168,21.209 -135.148,21.229 ccw(c-133.352,23.025) -133.352,20.485 -125.667,20.485 cw(c-125.667,16.129) -122.587,19.209 -117.366,13.988 cw(c-117.892,13.462) -117.148,13.462 ccw(c-116.665,13.462) -117.007,13.121 v1(-116.205,12.319)
NetS214_2: S214.2 S228.2 S228_2.2 S259.2 S266.2 S269.2 U301.15 | length 327.5
  Component Side w0.254: S259.2@-278.384,90.495 -272.253,90.495 ccw(c-272.253,93.035) -270.457,91.239 -269.73,91.966 cw(c-267.934,90.17) -267.934,92.71 -265.049,92.71 cw(c-265.049,90.17) -262.509,90.17 S259.2@-262.509,87.955 ; S266.2@-273.627,14.295 cw(c-271.793,14.295) -271.793,16.129 -243.586,16.129 ccw(c-243.586,17.78) -241.935,17.78 -241.935,19.291 cw(c-238.941,19.291) -241.935,19.304 cw(c-238.941,19.291) -238.954,22.285 cw(c-238.941,19.291) -238.941,22.285 -141.215,22.285 -141.213,22.286 -140.714,22.286 -140.713,22.285 -136.998,22.285 -136.977,22.263 -127.887,22.263 ccw(c-127.887,24.803) -126.091,23.007 v1(-125.222,23.876) ; U301.15@-114.967,17.844 ccw(c-115.657,18.534) -114.681,18.534 -114.681,19.146 cw(c-113.38,19.146) -114.3,20.066 ccw(c-115.833,21.599) -113.665,21.599 v1(-113.665,24.003)
  Bottom Layer w0.254: S259.2@-279.146,89.739 S259.2@-278.39,90.495 ; S259.2@-278.384,90.495 -278.384,84.237 ccw(c-275.844,84.237) -277.64,82.441 -274.371,79.172 cw(c-276.167,77.376) -273.669,77.835 cw(c-276.167,77.376) -273.627,77.376 S228.2@-273.627,71.445 ; S266.2@-276.008,14.295 cw(c-276.008,16.677) -278.39,16.677 S269.2@-278.39,33.345 -278.39,41.015 -278.384,41.021 -278.384,46.446 ccw(c-280.924,46.446) -279.128,48.242 -280.434,49.548 cw(c-278.638,51.344) -280.797,50.006 cw(c-278.638,51.344) -281.178,51.344 -281.178,55.699 cw(c-278.638,55.699) -280.746,57.116 -278.747,59.115 ccw(c-280.543,60.911) -278.003,60.911 -278.003,68.905 cw(c-275.463,68.905) -275.463,71.445 S228.2@-273.627,71.445 ; S259.2@-262.509,87.955 -261.566,88.898 -253.933,88.898 S214.2@-252.99,87.955 ; S228_2.2@-254.552,52.395 -254.552,68.905 ccw(c-257.092,68.905) -257.092,71.445 S228.2@-273.627,71.445 ; v1(-125.222,23.876) cw(c-124.39,23.876) -124.587,24.684 cw(c-124.527,24.437) -124.535,24.691 cw(c-124.494,23.402) -124.494,24.692 -124.242,24.692 ccw(c-124.242,27.686) -123.933,24.708 ccw(c-124.242,27.686) -122.353,25.364 -122.234,25.46 -121.841,25.853 cw(c-120.045,24.057) -120.045,26.597 -117.311,26.597 cw(c-117.311,24.057) -115.515,25.853 v1(-113.665,24.003)
P0.18/RESET: CON302.2 CON304.3 CON305.10 S301.2 U301.26 | length 99.5
  Component Side w0.254: S301.2@-174.333,11.646 S301.2@-174.333,12.156 cw(c-174.333,10.416) -172.593,10.416 v1(-172.593,9.906) ; v1(-148.844,6.604) ccw(c-148.844,6.477) -148.971,6.477 -148.971,2.461 ccw(c-147.334,2.461) -147.334,0.824 -146.952,0.824 ccw(c-146.952,2.539) -145.74,1.326 CON304.3@-144.526,2.54 ; U301.26@-119.307,15.494 ccw(c-118.387,16.414) -118.387,15.113 -116.756,15.113 cw(c-116.756,12.573) -114.96,14.369 -114.199,13.608 cw(c-115.488,12.319) -113.742,12.842 ccw(c-113.092,12.842) -113.683,12.571 -111.742,10.631 cw(c-113.538,8.835) -110.998,8.835 v1(-110.998,7.112)
  Bottom Layer w0.254: v1(-172.593,9.906) -172.593,5.08 ccw(c-170.053,5.08) -170.053,2.54 CON302.2@-165.1,2.54 -165.1,4.064 cw(c-162.56,4.064) -162.56,6.604 v1(-148.844,6.604) -134.502,6.604 cw(c-134.502,4.436) v1(-132.969,5.969) -132.769,6.169 -125.833,6.169 ccw(c-125.833,8.709) -124.037,6.913 -123.883,7.067 ; -123.876,7.061 -123.317,7.62 ; -123.316,7.621 cw(c-122.515,6.818) -122.515,7.952 -115.235,7.952 cw(c-115.235,6.19) -113.99,7.437 cw(c-115.235,6.19) -113.989,7.436 ; -112.847,6.92 -112.743,6.92 ; -112.847,6.923 cw(c-112.743,8.682) -113.988,7.435 ; -112.763,6.92 ccw(c-112.743,8.682) -112.743,6.92 ; v1(-110.998,7.112) -110.998,6.985 -111.063,6.92 -112.743,6.92 ; -113.989,7.436 ccw(c-112.743,8.682) -113.988,7.435